# KiCad board Soldermander_panelized.kicad_pcb
title: Soldermander; date: 2024-02-27; rev: 1.0; company: RE: Flynn Dreilinger
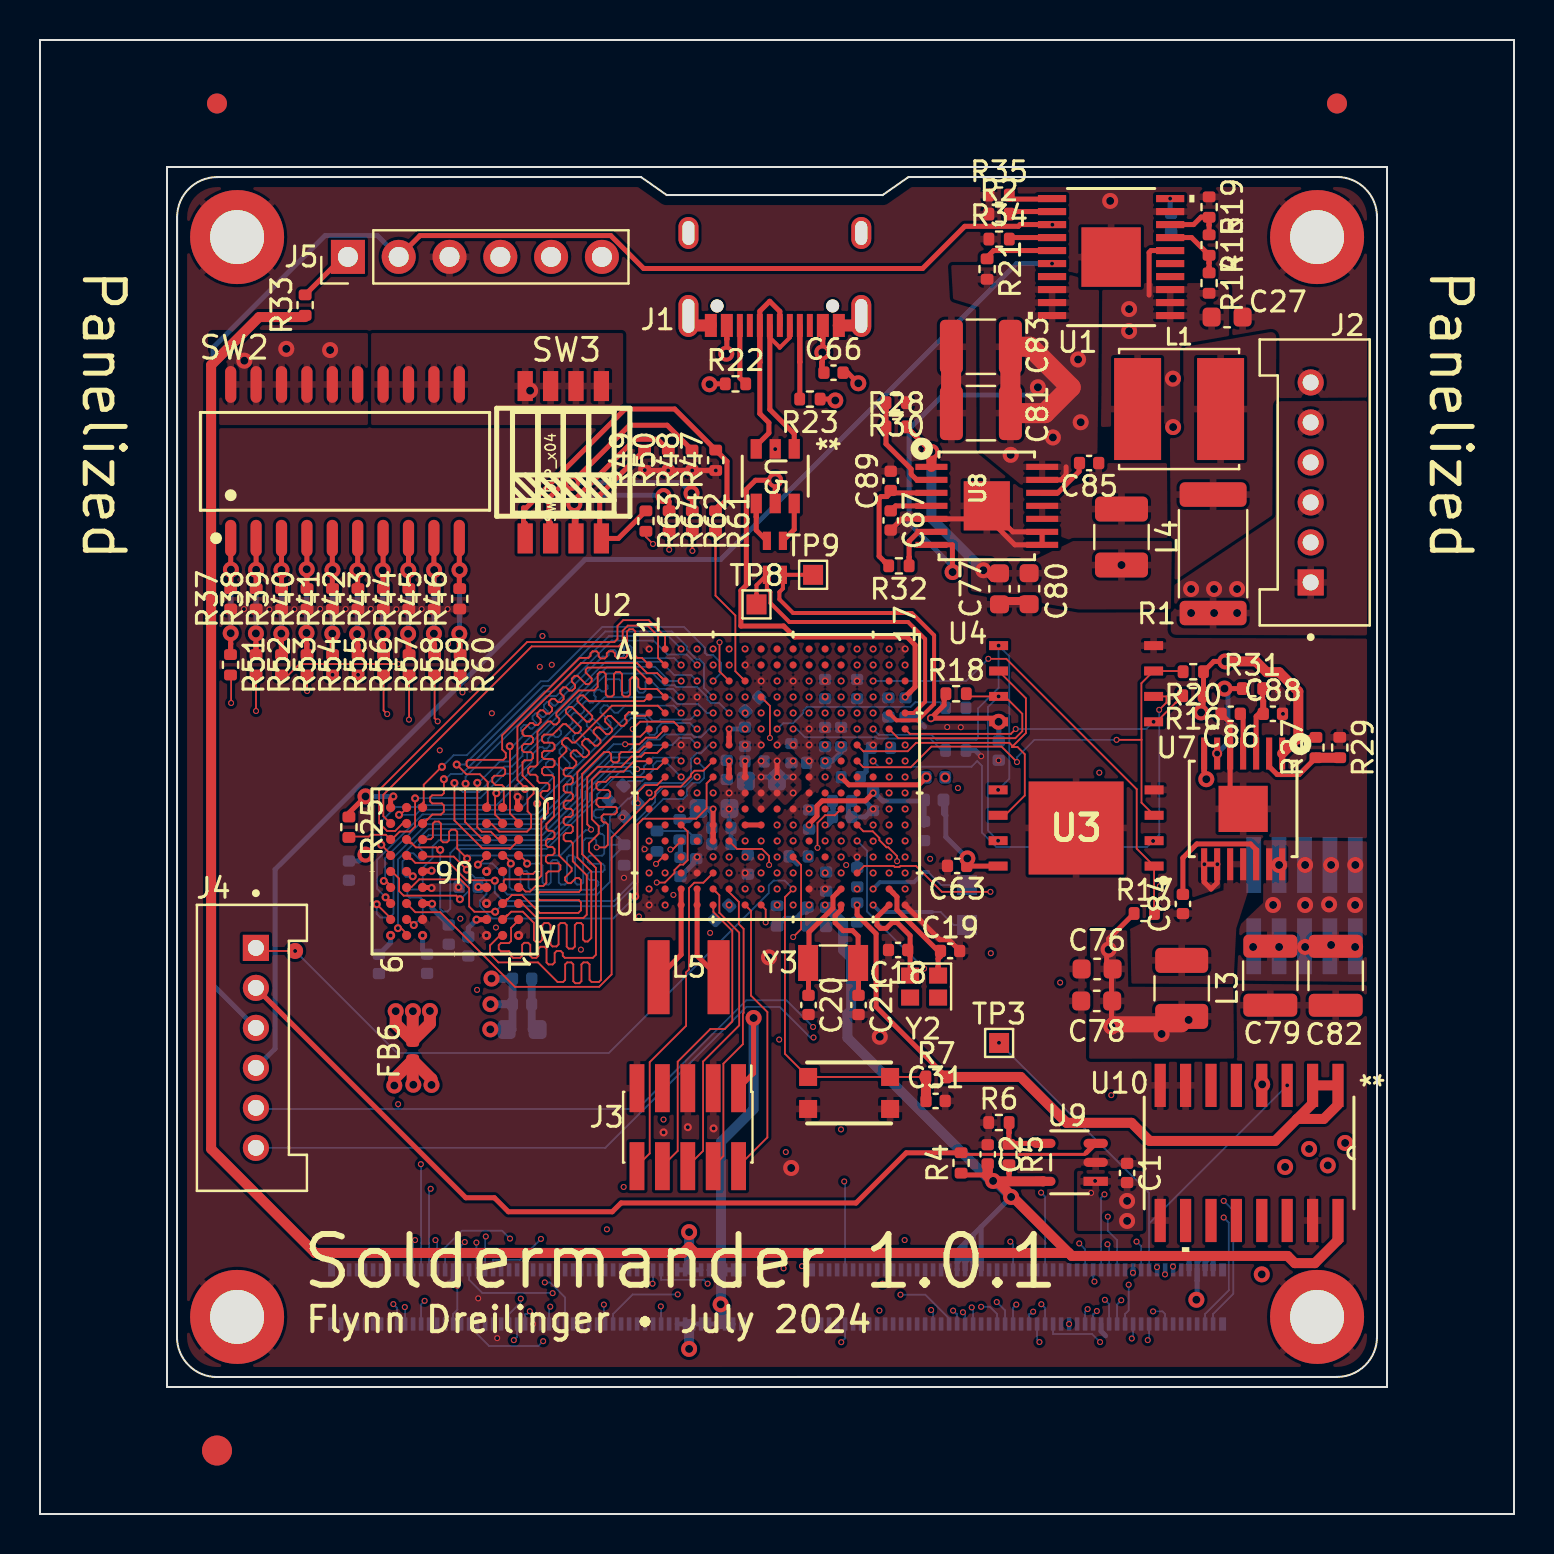
[diagram p0: board, top side]
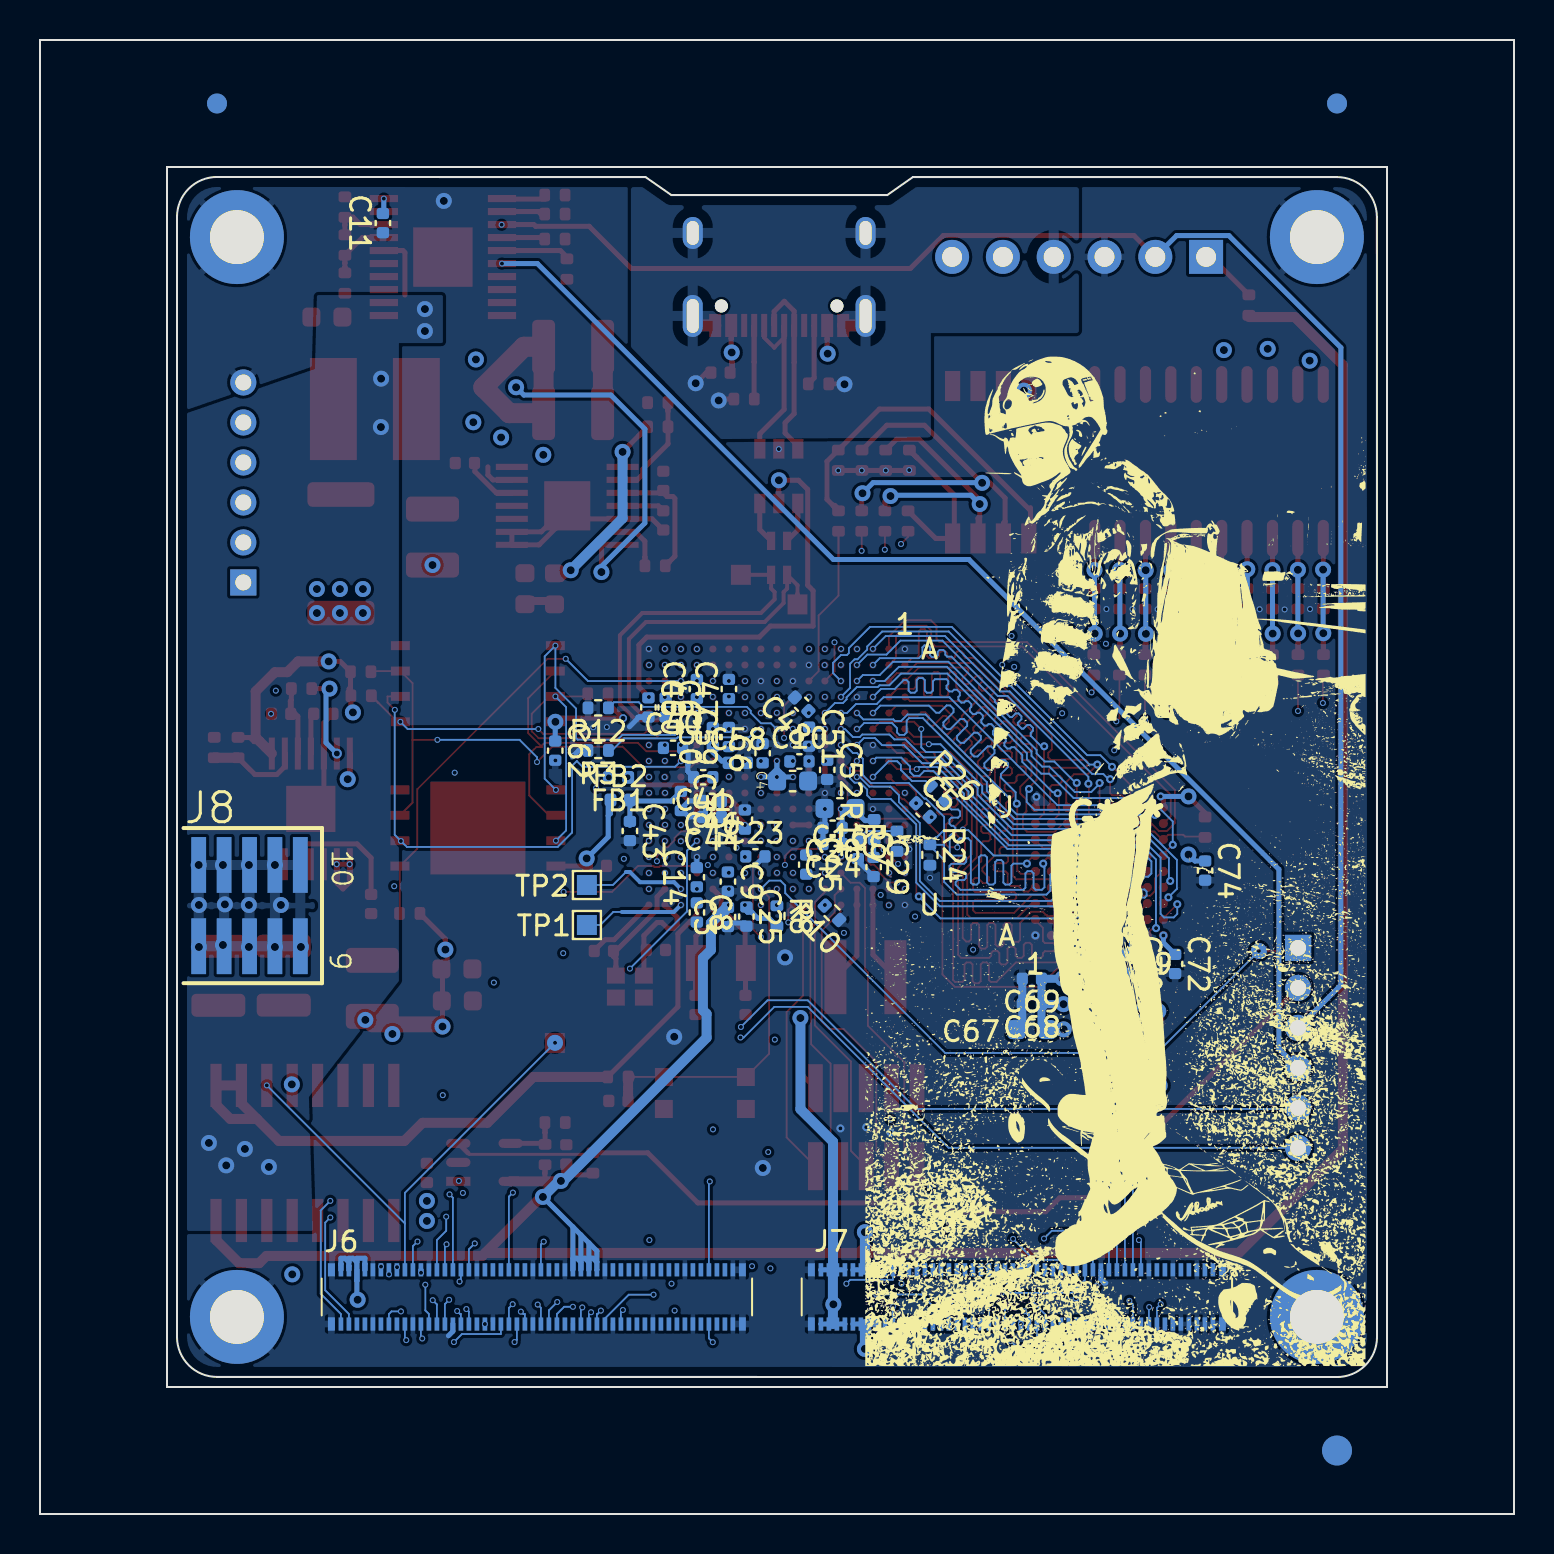
[diagram p1: board, bottom side, seen from below]

Outline 73.7 x 73.71 mm; copper layers: Top, In1.Cu, In2.Cu, In3.Cu, In4.Cu, Bottom. Coordinates in mm from the lower left corner of the outline.
Outline path: 0,73.71 73.7,73.71 73.7,0 0,0 0,73.71 ; 6.35,67.36 67.35,67.36 67.35,6.35 6.35,6.35 6.35,67.36 ; 6.86,64.86 6.85,8.85 arc(7.44,7.44) 8.85,6.85 64.85,6.86 arc(66.27,7.44) 66.85,8.86 66.85,64.86 arc(66.27,66.28) 64.85,66.86 43.42,66.86 42.13,65.96 31.34,65.96 30.06,66.86 8.86,66.86 arc(7.44,66.27) 6.86,64.86
Stack: Top 0.035mm / dielectric 0.1mm FR4 er 4.5 / In1.Cu 0.035mm / dielectric 0.535mm FR4 er 4.5 / In2.Cu 0.035mm / dielectric 0.1mm FR4 er 4.5 / In3.Cu 0.035mm / dielectric 0.535mm FR4 er 4.5 / In4.Cu 0.035mm / dielectric 0.1mm FR4 er 4.5 / Bottom 0.035mm

## Placement (name value [footprint] x y rotation side)
C1  1uF  [C_0402_1005Metric]  54.36 17.06 270 top
C2  1uF  [C_0402_1005Metric]  47.39 17.99 270 top
C3  1uF  [C_0402_1005Metric]  39.31 29.86 90 bottom
C4  22uF  [C_0603_1608Metric]  36.07 36.65 180 bottom
C5  10pF  [C_0402_1005Metric]  29.56 35.21 225 bottom
C6  4.7uF  [C_0402_1005Metric]  37.57 38.04 90 bottom
C7  4.7uF  [C_0402_1005Metric]  32.81 33.25 270 bottom
C8  2.2uF  [C_0402_1005Metric]  40.86 30.08 270 bottom
C9  4.7uF  [C_0402_1005Metric]  39.31 31.63 270 bottom
C10  0.1uF  [C_0402_1005Metric]  35.73 37.63 180 bottom
C11  22nF  [C_0402_1005Metric]  56.56 64.56 90 bottom
C14  0.22uF  [C_0402_1005Metric]  40.86 31.84 90 bottom
C16  22uF  [C_0603_1608Metric]  33.7 35.28 0 bottom
C18  8pF  [C_0402_1005Metric]  42.91 28.21 180 top
C19  8pF  [C_0402_1005Metric]  45.51 28.16 0 top
C20  10pF  [C_0402_1005Metric]  38.43 25.46 270 top
C21  10pF  [C_0402_1005Metric]  40.93 25.46 270 top
C23  4.7uF  [C_0402_1005Metric]  37.93 32.88 180 bottom
C24  4.7uF  [C_0402_1005Metric]  34.07 33.5 0 bottom
C25  0.1uF  [C_0402_1005Metric]  38.38 29.88 270 bottom
C27  22uF  [C_0603_1608Metric]  59.36 59.86 0 top
C28  0.1uF  [C_0402_1005Metric]  34.07 34.31 0 bottom
C29  0.22uF  [C_0402_1005Metric]  32.02 32.35 270 bottom
C31  0.1uF  [C_0402_1005Metric]  44.78 20.66 0 top
C34  0.1uF  [C_0402_1005Metric]  38.46 34.73 90 bottom
C38  1uF  [C_0402_1005Metric]  41.66 35.66 270 bottom
C40  2.2uF  [C_0402_1005Metric]  42.05 38.31 180 bottom
C41  1uF  [C_0402_1005Metric]  40.54 36.84 0 bottom
C43  4.7uF  [C_0402_1005Metric]  44.21 34.16 270 bottom
C44  4.7uF  [C_0402_1005Metric]  40.11 34.86 0 bottom
C45  2.2uF  [C_0402_1005Metric]  35.39 32.47 270 bottom
C46  2.2uF  [C_0402_1005Metric]  40.11 35.66 0 bottom
C47  2.2uF  [C_0402_1005Metric]  39.26 41.26 90 bottom
C48  2.2uF  [C_0402_1005Metric]  35.62 40.49 45 bottom
C49  2.2uF  [C_0402_1005Metric]  40.86 41.26 90 bottom
C50  2.2uF  [C_0402_1005Metric]  40.06 38.86 90 bottom
C51  4.7uF  [C_0402_1005Metric]  35.25 38.87 270 bottom
C52  4.7uF  [C_0402_1005Metric]  34.34 37.21 270 bottom
C58  1uF  [C_0402_1005Metric]  38.81 37.56 180 bottom
C59  1uF  [C_0402_1005Metric]  39.26 38.86 90 bottom
C60  1uF  [C_0402_1005Metric]  43.28 40.33 270 bottom
C61  1uF  [C_0402_1005Metric]  42.42 40.33 270 bottom
C62  1uF  [C_0402_1005Metric]  47.94 38.17 270 bottom
C63  1uF  [C_0402_1005Metric]  45.86 32.41 180 top
C66  4.7uF  [C_0402_1005Metric]  39.68 57.08 0 top
C67  22uF  [C_0603_1608Metric]  24.11 24.23 0 bottom
C68  4.7uF  [C_0402_1005Metric]  24.11 25.5 0 bottom
C69  0.1uF  [C_0402_1005Metric]  24.11 26.77 0 bottom
C70  0.1uF  [C_0402_1005Metric]  19.36 27.52 270 bottom
C71  0.1uF  [C_0402_1005Metric]  21.42 28.39 270 bottom
C72  0.1uF  [C_0402_1005Metric]  16.95 27.51 270 bottom
C73  0.1uF  [C_0402_1005Metric]  21.43 31.37 180 bottom
C74  0.1uF  [C_0402_1005Metric]  15.45 32.18 270 bottom
C75  0.1uF  [C_0402_1005Metric]  20.44 28.98 270 bottom
C76  22uF  [C_0603_1608Metric]  52.86 27.26 0 top
C77  22uF  [C_0603_1608Metric]  47.98 46.27 90 top
C78  22uF  [C_0603_1608Metric]  52.84 25.66 0 top
C79  100uF  [C_1210_3225Metric]  61.52 26.92 270 top
C80  22uF  [C_0603_1608Metric]  49.46 46.27 90 top
C81  100uF  [C_1210_3225Metric]  47.05 55.05 180 top
C82  100uF  [C_1210_3225Metric]  64.79 26.92 270 top
C83  100uF  [C_1210_3225Metric]  47.05 58.37 180 top
C84  0.1uF  [C_0402_1005Metric]  57.15 30.51 90 top
C85  0.1uF  [C_0402_1005Metric]  52.46 52.56 180 top
C86  3.3nF  [C_0402_1005Metric]  59.54 40.02 180 top
C87  3.3nF  [C_0402_1005Metric]  42.54 49.69 270 top
C88  1uF  [C_0402_1005Metric]  61.65 40.02 0 top
C89  1uF  [C_0402_1005Metric]  42.54 51.67 90 top
FB1  190mΩ  [Fuse_0402_1005Metric]  44.78 36.84 0 bottom
FB2  190mΩ  [Fuse_0402_1005Metric]  44.69 35.71 180 bottom
FB6  190mΩ  [Fuse_0402_1005Metric]  18.64 23.18 90 top
G***  LOGO  [grace_skate]  19.93 34.8 180 bottom
H1  MountingHole_Pad  [MountingHole_2.7mm_M2.5_DIN965_Pad]  63.86 63.86 0 top
H2  MountingHole_Pad  [MountingHole_2.7mm_M2.5_DIN965_Pad]  9.86 63.86 0 top
H3  MountingHole_Pad  [MountingHole_2.7mm_M2.5_DIN965_Pad]  9.86 9.86 0 top
H4  MountingHole_Pad  [MountingHole_2.7mm_M2.5_DIN965_Pad]  63.86 9.86 0 top
J1  USB_C_pycubed  [USB_C_Receptacle_XKB_U262-161N-4BVC11]  37.24 64.46 180 top
J2  353620650  [MOLEX_35362-0650]  63.54 51.59 270 top
J3  JTAG_SWD_10  [PinHeader_2x05_P1.27mm_Vertical_SMD]  32.39 19.34 270 top
J4  353620650  [MOLEX_35362-0650]  10.8 23.31 90 top
J5  Conn_01x06  [PinHeader_1x06_P2.54mm_Vertical]  15.4 62.87 90 top
J6  DF40C-100DP-0.4V(51)  [DF40C100DP04V51]  48.86 10.86 180 bottom
J7  DF40C-100DP-0.4V(51)  [DF40C100DP04V51]  24.86 10.86 180 bottom
J8  -  [SAMTEC-FTS-105-03-X-DV]  63.23 30.42 180 bottom
L1  330uH  [IND_SRN6045TA-331K]  56.96 55.26 180 top
L2  DLW21HN900SQ2L  [IND4_CHOKE_0805]  36.75 47.82 90 top
L3  3.3uH  [L_1210_3225Metric]  57.09 26.29 270 top
L4  3.3uH  [L_1210_3225Metric]  54.08 48.86 270 top
L5  4.7µH  [IND_4x4mm]  32.43 26.84 0 top
NOREF  -  [Fiducial_1mm_Mask3mm]  8.85 70.54 0 top
NOREF#2  -  [Fiducial_1mm_Mask3mm]  64.85 70.54 0 top
NOREF#3  -  [Fiducial_1.5mm_Mask3mm]  8.85 3.17 0 top
NOREF#4  -  [Fiducial_1mm_Mask3mm]  8.85 70.54 0 bottom
NOREF#5  -  [Fiducial_1mm_Mask3mm]  64.85 70.54 0 bottom
NOREF#6  -  [Fiducial_1.5mm_Mask3mm]  8.85 3.17 0 bottom
R1  10mΩ  [R_2512_6332Metric]  58.66 48.02 90 top
R2  0Ω  [R_0402_1005Metric]  47.96 65.01 0 top  (not fitted)
R3  10kΩ  [R_0402_1005Metric]  45.79 38.18 0 bottom
R4  10kΩ  [R_0402_1005Metric]  46.06 17.56 90 top
R5  2.2MΩ  [R_0402_1005Metric]  48.45 17.98 270 top
R6  1.27MΩ  [R_0402_1005Metric]  47.95 19.58 0 top
R7  10kΩ  [R_0402_1005Metric]  44.81 21.86 0 top
R8  100kΩ  [R_0402_1005Metric]  36.86 29.91 270 bottom
R9  4.7kΩ  [R_0402_1005Metric]  30.85 33.64 90 bottom
R10  4.7kΩ  [R_0402_1005Metric]  34.1 30.06 45 bottom
R11  30kΩ  [R_0402_1005Metric]  31.99 34.22 90 bottom
R12  10kΩ  [R_0402_1005Metric]  45.79 40.31 0 bottom
R14  806kΩ  [R_0402_1005Metric]  58.46 61.56 270 top
R15  100kΩ  [R_0402_1005Metric]  58.46 63.46 270 top
R16  10kΩ  [R_0402_1005Metric]  57.65 40.92 180 top
R17  10kΩ  [R_0402_1005Metric]  55.22 30.03 0 top
R18  33k  [R_0402_1005Metric]  45.81 41.02 0 top
R19  100kΩ  [R_0402_1005Metric]  58.46 65.36 270 top
R20  33k  [R_0402_1005Metric]  57.67 42.12 180 top
R21  10kΩ  [R_0402_1005Metric]  47.36 62.26 270 top
R22  5.1kΩ  [R_0402_1005Metric]  34.78 56.52 0 top
R23  5.1kΩ  [R_0402_1005Metric]  38.5 55.76 180 top
R24  100kΩ  [R_0402_1005Metric]  29.21 32.96 270 bottom
R25  4.7K - DNP  [R_0402_1005Metric]  15.45 34.35 270 top
R26  0Ω  [R_0402_1005Metric]  28.81 36.07 225 bottom
R27  30.1kΩ  [R_0402_1005Metric]  63.8 38.33 90 top
R28  73.2kΩ  [R_0402_1005Metric]  42.81 54.37 0 top
R29  22.1kΩ  [R_0402_1005Metric]  64.99 38.33 270 top
R30  22.1kΩ  [R_0402_1005Metric]  42.81 55.58 180 top
R31  100kΩ  [R_0402_1005Metric]  60.63 41.28 0 top
R32  100kΩ  [R_0402_1005Metric]  42.95 47.42 180 top
R33  10kΩ  [R_0402_1005Metric]  13.26 60.46 90 top
R34  30kΩ  [R_0402_1005Metric]  47.96 63.76 0 top
R35  18kΩ  [R_0402_1005Metric]  47.96 65.96 0 top
R37  47kΩ  [R_0402_1005Metric]  9.54 45.77 90 top
R38  47kΩ  [R_0402_1005Metric]  10.81 45.77 90 top
R39  47kΩ  [R_0402_1005Metric]  12.08 45.77 90 top
R40  47kΩ  [R_0402_1005Metric]  13.35 45.77 90 top
R41  47kΩ  [R_0402_1005Metric]  14.62 45.77 90 top
R42  47kΩ  [R_0402_1005Metric]  15.9 45.77 90 top
R43  47kΩ  [R_0402_1005Metric]  17.17 45.77 90 top
R44  47kΩ  [R_0402_1005Metric]  18.44 45.77 90 top
R45  47kΩ  [R_0402_1005Metric]  19.71 45.77 90 top
R46  47kΩ  [R_0402_1005Metric]  20.99 45.77 90 top
R47  47kΩ  [R_0402_1005Metric]  33.79 52.7 90 top
R48  47kΩ  [R_0402_1005Metric]  32.6 52.7 90 top
R49  100kΩ  [R_0402_1005Metric]  30.23 52.7 90 top
R50  100kΩ  [R_0402_1005Metric]  31.42 52.7 90 top
R51  22kΩ  [R_0402_1005Metric]  9.53 42.47 270 top
R52  22kΩ  [R_0402_1005Metric]  10.8 42.47 270 top
R53  22kΩ  [R_0402_1005Metric]  12.08 42.47 270 top
R54  22kΩ  [R_0402_1005Metric]  13.35 42.47 270 top
R55  22kΩ  [R_0402_1005Metric]  14.63 42.47 270 top
R56  22kΩ  [R_0402_1005Metric]  15.9 42.47 270 top
R57  22kΩ  [R_0402_1005Metric]  17.18 42.47 270 top
R58  22kΩ  [R_0402_1005Metric]  18.45 42.47 270 top
R59  22kΩ  [R_0402_1005Metric]  19.73 42.47 270 top
R60  22kΩ  [R_0402_1005Metric]  21.01 42.47 270 top
R61  22kΩ  [R_0402_1005Metric]  33.78 49.66 270 top
R62  22kΩ  [R_0402_1005Metric]  32.62 49.66 270 top
R63  4.7kΩ  [R_0402_1005Metric]  30.3 49.66 270 top
R64  4.7kΩ  [R_0402_1005Metric]  31.46 49.66 270 top
SW1  SWITCH_SMT4.6X2.8  [BTN_KMR2_4.6X2.8]  40.46 21.06 0 top
SW2  SW_DIP_x10  [SW-SMD_DSHP10TS-S]  15.25 52.64 0 top
SW3  SW_DIP_x04  [SW-SMD_8P-L6.7-W5.4-P1.27-LS8.5]  26.17 52.6 0 top
TP1  TestPoint  [TestPoint_Pad_1.0x1.0mm]  46.36 29.46 0 bottom
TP2  TestPoint  [TestPoint_Pad_1.0x1.0mm]  46.36 31.46 0 bottom
TP3  TestPoint  [TestPoint_Pad_1.0x1.0mm]  47.96 23.56 0 top
TP8  TestPoint  [TestPoint_Pad_1.0x1.0mm]  35.83 45.49 0 top
TP9  TestPoint  [TestPoint_Pad_1.0x1.0mm]  38.66 46.97 0 top
U1  TPS16630PWPR  [HTSSOP20_PWP_TEX]  53.56 62.86 180 top
U2  MIMXRT1176  [U_MIMXRT1176DVMAA_NXP]  36.86 36.86 0 top
U3  EM064LXQADG13IS1T  [SON127P800X600X95-9N-D]  51.81 34.31 180 top  (not fitted)
U4  MT29F1G01ABBFDWB  [UDFN800X600X65-8]  51.81 41.52 0 top
U5  USBLC6-2SC6  [SOT23-6L_STM]  36.76 51.9 270 top
U6  MT48H32M16LFB4-6  [VFBGA54_8X8_MRN]  20.73 32.13 180 top
U7  TPS54226PWPRPWP14_2P31X2P46-L  [PWP14_2P31X2P46-L]  60.16 35.26 270 top
U8  TPS54226PWPRPWP14_2P31X2P46-L  [PWP14_2P31X2P46-L]  47.34 50.41 0 top
U9  LT3014IS5-TRMPBF  [S_5_ADI]  51.48 17.59 180 top
U10  CD40109BQNSRQ1  [NS16]  60.46 18.06 270 top
Y2  24.0mHz  [Crystal_SMD_2016-4Pin_2.0x1.6mm]  44.21 26.38 180 top
Y3  32.768kHz  [Crystal_SMD_3215-2Pin_3.2x1.5mm]  39.66 27.56 0 top

## Library data of the parts
C1 C2 C11 C18-C21 C31 C60 C62 C63 C69 = -: Footprint (for JLCPCB): 0402; Voltage Rating: 50V; ki_fp_filters: C_*
C3 C8 C10 C25 C28 C34 C38 C40 C41 C45-C50 C58 C59 C61 C70-C75 = -: Footprint (for JLCPCB): 0201; Voltage Rating: 10V; ki_fp_filters: C_*
C4 C67 = -: Footprint (for JLCPCB): 0603; Voltage Rating: 6.3V; ki_fp_filters: C_*
C5 C14 = -: Footprint (for JLCPCB): 0201; Voltage Rating: 50V; ki_fp_filters: C_*
C6 C7 C9 C23 C24 C29 C43 C44 C51 C52 = -: Footprint (for JLCPCB): 0201; Voltage Rating: 6.3V; ki_fp_filters: C_*
C16 = -: Footprint (for JLCPCB): 0402; Voltage Rating: 6.3V; ki_fp_filters: C_*
C27 C76-C78 C80 = -: Footprint (for JLCPCB): 0603; Voltage Rating: 6.3V
C66 C68 = -: Footprint (for JLCPCB): 0402; Voltage Rating: 10V; ki_fp_filters: C_*
C79 C81-C83 = -: Description: 100uF 16V X5R 1210; Footprint (for JLCPCB): 1210; Voltage Rating: 50V
C84 C85 C88 C89 = -: Footprint (for JLCPCB): 0402; Voltage Rating: 50V
C86 C87 = -: Description: 3.3nF +-10% 100V X7R 0603; Footprint (for JLCPCB): 0402; Voltage Rating: 50V
FB1 FB2 FB6 = -: Description: Ferrite Bead; Flight: BLM15AG121SN1D; Footprint (for JLCPCB): 0401; JLCPCB P/N: C85812; ki_fp_filters: Inductor_* L_* *Ferrite*
H1-H4 = -: DNI: DNI; ki_fp_filters: MountingHole*Pad*
J1 = -: Description: USB C Receptacle; Flight: U262-161N-4BVC11; JLCPCB P/N: C319148
J2 J4 = -: Datasheet: https://tools.molex.com/pdm_docs/sd/353620650_sd.pdf; Description: 6-pin sherlock through-hole connector; DNI: DNI; Manufacturer_Name: Molex
J3 = -: Description: JTAG/SWD 10-pin connector; Flight: BD125-10-A-0305-0580-L-B; JLCPCB P/N: C180221; Manufacturer_Name: GCT; ki_fp_filters: PinHeader?2x05?P1.27mm*
J5 = -: DNI: DNI; ki_fp_filters: Connector*:*_1x??_*
J6 J7 = -: Description: Hirose Board-to-Board Connector; JLCPCB P/N: C531031
J8 SW1 = -: DNI: DNI
L1 = -: Description: Inductor; Flight: SRN6045TA-331K; JLCPCB P/N: C2049953; Manufacturer_Name: Bourns; Unit Price: 0.54; ki_fp_filters: Choke_* *Coil* Inductor_* L_*
L2 = -: Description: Inductor; JLCPCB P/N: C80529
L3 L4 = -: Datasheet: https://datasheet.lcsc.com/lcsc/2009171412_TAI-TECH-HPC5040NF-3R3MTH_C304367.pdf; Description: 3.3uH Shielded Inductor; Flight: SRP3212-3R3M; Manufacturer_Name: Bourns; Power Rating: 3.1A, 3.4A Saturation; Proto: SRP3212-3R3M; Supplier 1: Digi-Key; ki_fp_filters: Choke_* *Coil* Inductor_* L_*
L5 = -: Flight: SNR4030-4R7MT; JLCPCB P/N: C5127393; ki_fp_filters: Choke_* *Coil* Inductor_* L_*
R1 = -: Footprint (for JLCPCB): 2512; JLCPCB P/N: C5116354; Power Rating: 3W; ki_fp_filters: R_*
R2 R4-R11 R15-R21 R24-R26 R33-R35 R37-R64 = -: Footprint (for JLCPCB): 0402; ki_fp_filters: R_*
R3 = -: Footprint (for JLCPCB): 0201; JLCPCB P/N: C3152014; ki_fp_filters: R_*
R12 = -: JLCPCB P/N: C3152014; Footprint (for JLCPCB): 0201; ki_fp_filters: R_*
R14 = -: Footprint (for JLCPCB): 0402; JLCPCB P/N: C3016043; ki_fp_filters: R_*
R22 R23 = -: Description: 5.1k 0402; Footprint (for JLCPCB): 0402; ki_fp_filters: R_*
R27 = -: Description: 30.1K 0402; Footprint (for JLCPCB): 0402; JLCPCB P/N: C208856
R28 = -: Description: 73.2K 0402; Footprint (for JLCPCB): 0402
R29 R30 = -: Description: 22.1K 0402; Footprint (for JLCPCB): 0402
R31 R32 = -: Footprint (for JLCPCB): 0402
SW2 = -: JLCPCB P/N Proto: C319046; Proto: DSHP10TS-S; ki_fp_filters: SW?DIP?x10*
SW3 = -: JLCPCB P/N Proto: C319050; Proto: DSHP04TS-S; ki_fp_filters: SW?DIP?x4*
TP1-TP3 TP8 TP9 = -: DNI: DNI; ki_fp_filters: Pin* Test*
U1 = -: Description: Load Switch; JLCPCB P/N: C1849462; ki_fp_filters: HTSSOP20_PWP_TEX HTSSOP20_PWP_TEX-M HTSSOP20_PWP_TEX-L
U2 = -: Description: Microcontroller; Flight: MIMXRT1176AVM8A; JLCPCB P/N: C1020267; JLCPCB P/N Proto: C1020268; Proto: MIMXRT1176DVM8A
U3 = -: Description: STT-MRAM (xSPI); DNI: DNI; Height: 0.95; Manufacturer_Name: Everspin Technologies
U4 = -: Description: NAND Flash; JLCPCB P/N Proto: C5330479
U5 = -: Description: USB TVS diodes; JLCPCB P/N: C2687116; ki_fp_filters: SOT23-6L_STM SOT23-6L_STM-M SOT23-6L_STM-L
U6 = -: Description: SDRAM; JLCPCB P/N: C1351581
U7 U8 = -: Datasheet: https://www.ti.com/lit/gpn/tps54226; Description: Adjustable Switching Regulator; Flight: TPS54226PWPR; JLCPCB P/N: C72066; Manufacturer_Name: Texas Instruments; Proto: TPS54226PWPR; Field10: >Name
U9 = -: Description: Adjustable LDO; JLCPCB P/N: C666272; ki_fp_filters: S_5_ADI
U10 = -: Datasheet: https://www.ti.com/lit/ds/schs380a/schs380a.pdf; Description: Level Shifter; JLCPCB P/N: C2677390; ki_fp_filters: NS16 NS16-M NS16-L
Y2 = -: Datasheet: https://www.mouser.com/datasheet/2/281/1/SPEC_XRCGB24M000F1SBDR0-2399416.pdf; Description: 24.0mHz Crystal Oscillator; Flight: XRCGB24M000F1H01R0; JLCPCB P/N: C1986107; Manufacturer_Name: Murata Electronics; ki_fp_filters: Crystal*
Y3 = -: Datasheet: https://abracon.com/Resonators/ABS07.pdf; Description: 32.768kHz Crystal Oscillator; Flight: 20021221-00010C4LF; JLCPCB P/N: C145140; Manufacturer_Name: Abracon LLC; ki_fp_filters: Crystal*

## Footprints (pads in the part's own frame, mm; a bottom-side part is the same pattern mirrored in y, then rotated)
BTN_KMR2_4.6X2.8
  rect 0.9x0.9 smd: A(2.05,0.8) A'(-2.05,0.8) B(2.05,-0.8) B'(-2.05,-0.8)
C_0402_1005Metric
  rrect 0.56x0.62 smd: 1(-0.48,0) 2(0.48,0)
C_0603_1608Metric
  rrect 0.9x0.95 smd: 1(-0.775,0) 2(0.775,0)
C_1210_3225Metric
  rrect 1.15x2.7 smd: 1(-1.475,0) 2(1.475,0)
Crystal_SMD_2016-4Pin_2.0x1.6mm
  rect 0.9x0.8 smd: 1(-0.7,-0.55) 2(0.7,-0.55) 3(0.7,0.55) 4(-0.7,0.55)
Crystal_SMD_3215-2Pin_3.2x1.5mm
  rect 1x1.8 smd: 1(1.25,0) 2(-1.25,0)
DF40C100DP04V51
  rect 0.23x0.66 smd: 1(-9.8,-1.355) 2(-9.8,1.355) 3(-9.4,-1.355) 4(-9.4,1.355) 5(-9,-1.355) 6(-9,1.355) 7(-8.6,-1.355) 8(-8.6,1.355) 9(-8.2,-1.355) 10(-8.2,1.355) 11(-7.8,-1.355) 12(-7.8,1.355) 13(-7.4,-1.355) 14(-7.4,1.355) 15(-7,-1.355) 16(-7,1.355) 17(-6.6,-1.355) 18(-6.6,1.355) 19(-6.2,-1.355) 20(-6.2,1.355) 21(-5.8,-1.355) 22(-5.8,1.355) 23(-5.4,-1.355) 24(-5.4,1.355) 25(-5,-1.355) 26(-5,1.355) 27(-4.6,-1.355) 28(-4.6,1.355) 29(-4.2,-1.355) 30(-4.2,1.355) 31(-3.8,-1.355) 32(-3.8,1.355) 33(-3.4,-1.355) 34(-3.4,1.355) 35(-3,-1.355) 36(-3,1.355) 37(-2.6,-1.355) 38(-2.6,1.355) 39(-2.2,-1.355) 40(-2.2,1.355) 41(-1.8,-1.355) 42(-1.8,1.355) 43(-1.4,-1.355) 44(-1.4,1.355) 45(-1,-1.355) 46(-1,1.355) 47(-0.6,-1.355) 48(-0.6,1.355) 49(-0.2,-1.355) 50(-0.2,1.355) 51(0.2,-1.355) 52(0.2,1.355) 53(0.6,-1.355) 54(0.6,1.355) 55(1,-1.355) 56(1,1.355) 57(1.4,-1.355) 58(1.4,1.355) 59(1.8,-1.355) 60(1.8,1.355) 61(2.2,-1.355) 62(2.2,1.355) 63(2.6,-1.355) 64(2.6,1.355) 65(3,-1.355) 66(3,1.355) 67(3.4,-1.355) 68(3.4,1.355) 69(3.8,-1.355) 70(3.8,1.355) 71(4.2,-1.355) 72(4.2,1.355) 73(4.6,-1.355) 74(4.6,1.355) 75(5,-1.355) 76(5,1.355) 77(5.4,-1.355) 78(5.4,1.355) 79(5.8,-1.355) 80(5.8,1.355) 81(6.2,-1.355) 82(6.2,1.355) 83(6.6,-1.355) 84(6.6,1.355) 85(7,-1.355) 86(7,1.355) 87(7.4,-1.355) 88(7.4,1.355) 89(7.8,-1.355) 90(7.8,1.355) 91(8.2,-1.355) 92(8.2,1.355) 93(8.6,-1.355) 94(8.6,1.355) 95(9,-1.355) 96(9,1.355) 97(9.4,-1.355) 98(9.4,1.355) 99(9.8,-1.355) 100(9.8,1.355)
  rect 0.35x0.66 smd: MH1(-10.275,-1.355) MH2(-10.275,1.355) MH3(10.275,-1.355) MH4(10.275,1.355)
Fiducial_1.5mm_Mask3mm
  round 1.5 smd: (0,0)
Fiducial_1mm_Mask3mm
  round 1 smd: (0,0)
Fuse_0402_1005Metric
  rrect 0.59x0.64 smd: 1(-0.485,0) 2(0.485,0)
HTSSOP20_PWP_TEX
  rect 1.41x0.356 smd: 1(-2.953,2.925) 2(-2.953,2.275) 3(-2.953,1.625) 4(-2.953,0.975) 5(-2.953,0.325) 6(-2.953,-0.325) 7(-2.953,-0.975) 8(-2.953,-1.625) 9(-2.953,-2.275) 10(-2.953,-2.925) 11(2.953,-2.925) 12(2.953,-2.275) 13(2.953,-1.625) 14(2.953,-0.975) 15(2.953,-0.325) 16(2.953,0.325) 17(2.953,0.975) 18(2.953,1.625) 19(2.953,2.275) 20(2.953,2.925)
  rect 2.972x2.972 smd: 21(0,0)
IND4_CHOKE_0805
  rect 0.914x0.406 smd: 1(0.85,0.4) 2(-0.85,0.4) 3(-0.85,-0.4) 4(0.85,-0.4)
IND_4x4mm
  rect 1.1x3.7 smd: 1(-1.5,0) 2(1.5,0)
IND_SRN6045TA-331K
  rect 2.35x5.1 smd: 1(-2.075,0) 2(2.075,0)
L_1210_3225Metric
  rrect 1.25x2.65 smd: 1(-1.4,0) 2(1.4,0)
MOLEX_35362-0650
  rect 1.308x1.308 hole 0.8: 1(5,0)
  round 1.308 hole 0.8: 2(3,0) 3(1,0) 4(-1,0) 5(-3,0) 6(-5,0)
MountingHole_2.7mm_M2.5_DIN965_Pad
  round 4.7 hole 2.7: 1(0,0)
NS16
  rect 2.159x0.559 smd: 1(-3.378,4.445) 2(-3.378,3.175) 3(-3.378,1.905) 4(-3.378,0.635) 5(-3.378,-0.635) 6(-3.378,-1.905) 7(-3.378,-3.175) 8(-3.378,-4.445) 9(3.378,-4.445) 10(3.378,-3.175) 11(3.378,-1.905) 12(3.378,-0.635) 13(3.378,0.635) 14(3.378,1.905) 15(3.378,3.175) 16(3.378,4.445)
PinHeader_1x06_P2.54mm_Vertical
  rect 1.7x1.7 hole 1: 1(0,0)
  oval 1.7x1.7 hole 1: 2(0,-2.54) 3(0,-5.08) 4(0,-7.62) 5(0,-10.16) 6(0,-12.7)
PinHeader_2x05_P1.27mm_Vertical_SMD
  rect 2.4x0.74 smd: 1(-1.95,2.54) 2(1.95,2.54) 3(-1.95,1.27) 4(1.95,1.27) 5(-1.95,0) 6(1.95,0) 7(-1.95,-1.27) 8(1.95,-1.27) 9(-1.95,-2.54) 10(1.95,-2.54)
PWP14_2P31X2P46-L
  rect 1.6x0.305 smd: 1(-2.769,1.95) 2(-2.769,1.3) 3(-2.769,0.65) 4(-2.769,0) 5(-2.769,-0.65) 6(-2.769,-1.3) 7(-2.769,-1.95) 8(2.769,-1.95) 9(2.769,-1.3) 10(2.769,-0.65) 11(2.769,0) 12(2.769,0.65) 13(2.769,1.3) 14(2.769,1.95)
  rect 2.31x2.46 smd: 15(0,0)
R_0402_1005Metric
  rrect 0.54x0.64 smd: 1(-0.51,0) 2(0.51,0)
R_2512_6332Metric
  rrect 1.225x3.35 smd: 1(-2.962,0) 2(2.962,0)
S_5_ADI
  rect 1.219x0.457 smd: 1(-1.31,0.95)
  oval 1.219x0.457 smd: 2(-1.31,0) 3(-1.31,-0.95) 4(1.31,-0.95) 5(1.31,0.95)
SAMTEC-FTS-105-03-X-DV
  rect 0.74x2.79 smd: 1(-2.54,-2.032) 2(-2.54,2.032) 3(-1.27,-2.032) 4(-1.27,2.032) 5(0,-2.032) 6(0,2.032) 7(1.27,-2.032) 8(1.27,2.032) 9(2.54,-2.032) 10(2.54,2.032)
SON127P800X600X95-9N-D
  rect 0.95x0.45 smd: 1(-3.9,1.905) 2(-3.9,0.635) 3(-3.9,-0.635) 4(-3.9,-1.905) 5(3.9,-1.905) 6(3.9,-0.635) 7(3.9,0.635) 8(3.9,1.905)
  rect 4.75x4.65 smd: 9(0,0)
SOT23-6L_STM
  rect 0.978x0.559 smd: 1(-1.365,0.95) 2(-1.365,0) 3(-1.365,-0.95) 4(1.365,-0.95) 5(1.365,0) 6(1.365,0.95)
SW-SMD_8P-L6.7-W5.4-P1.27-LS8.5
  rect 0.762x1.5 smd: 1(-1.905,-3.81) 2(-0.635,-3.81) 3(0.635,-3.81) 4(1.905,-3.81) 5(1.905,3.81) 6(0.635,3.81) 7(-0.635,3.81) 8(-1.905,3.81)
SW-SMD_DSHP10TS-S
  oval 0.56x1.84 smd: 1(-5.715,-3.845) 2(-4.445,-3.845) 3(-3.175,-3.845) 4(-1.905,-3.845) 5(-0.635,-3.845) 6(0.635,-3.845) 7(1.905,-3.845) 8(3.175,-3.845) 9(4.445,-3.845) 10(5.715,-3.845) 11(5.715,3.845) 12(4.445,3.845) 13(3.175,3.845) 14(1.905,3.845) 15(0.635,3.845) 16(-0.635,3.845) 17(-1.905,3.845) 18(-3.175,3.845) 19(-4.445,3.845) 20(-5.715,3.845)